# Altium PCB 装甲板（行程开关方案）.PcbDoc
Units mil, origin at the board's own origin, x right, y up, seen from the top; angles counter-clockwise.
Board outline 2155 x 2380 mil, 2 copper layers (Top Layer, Bottom Layer); 6 components, 5 nets, 18 pads, 0 vias.
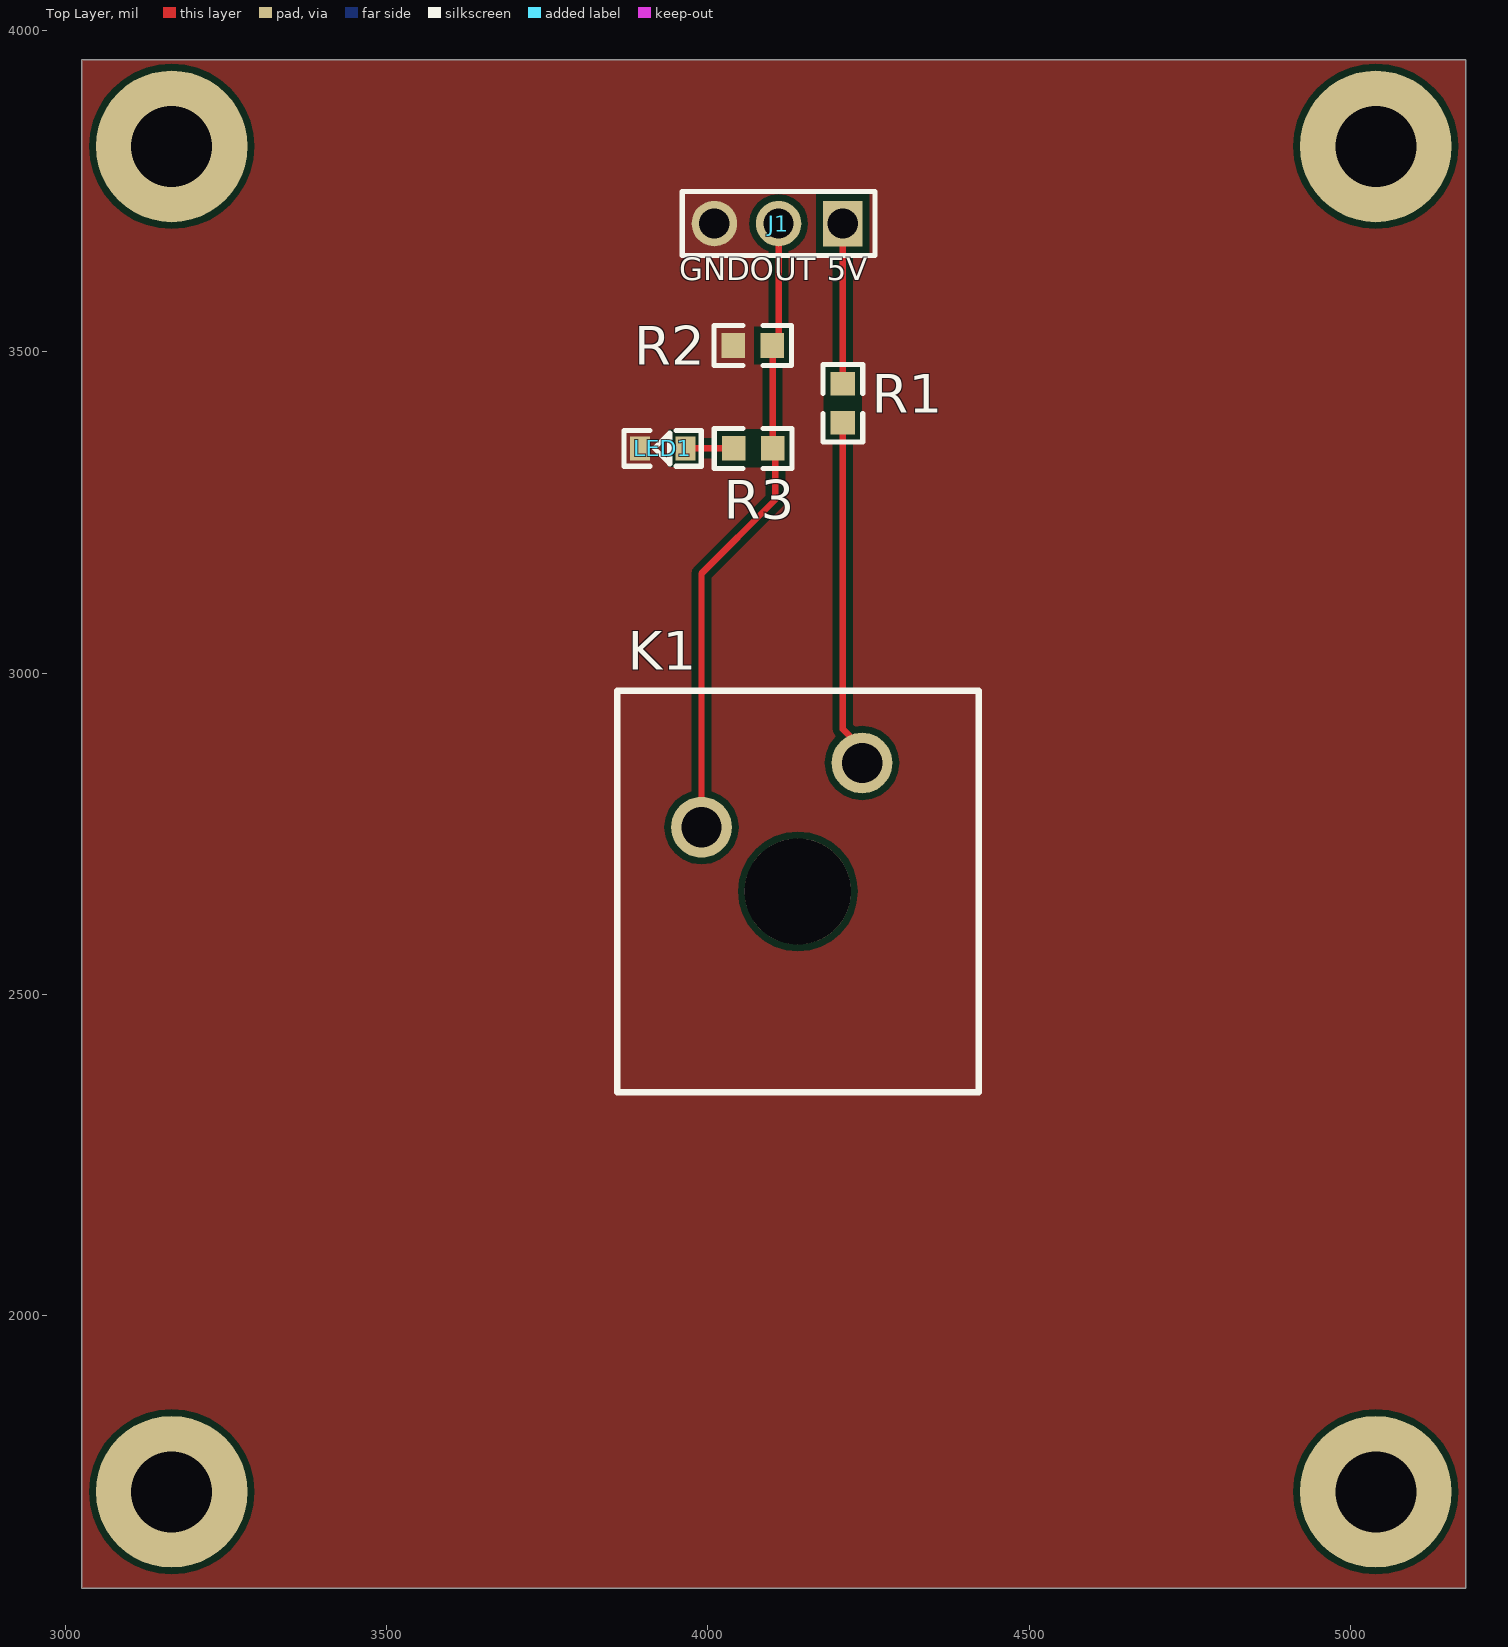
[diagram p0: Top Layer view]
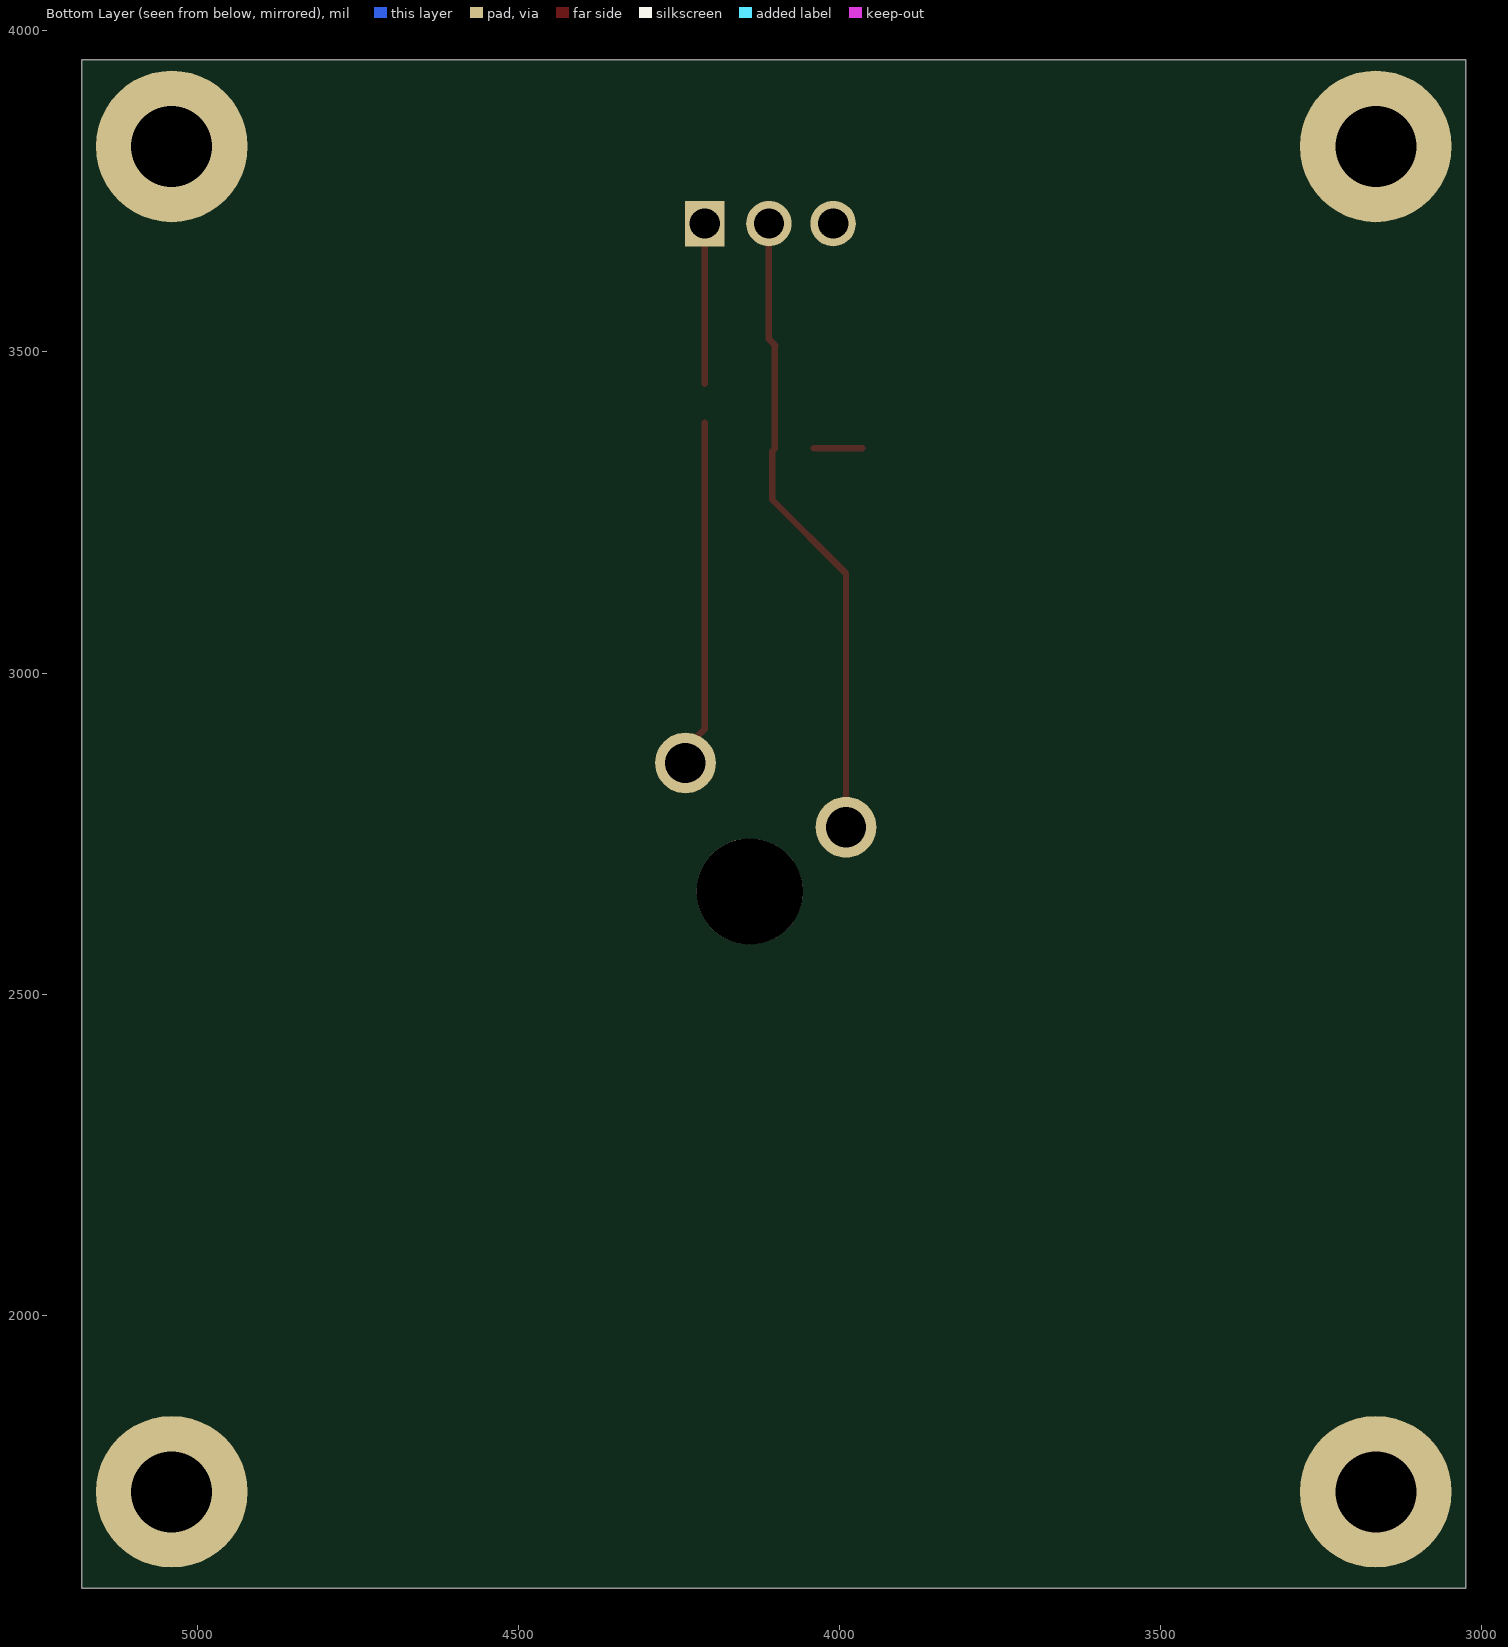
[diagram p1: Bottom Layer view, seen from below]
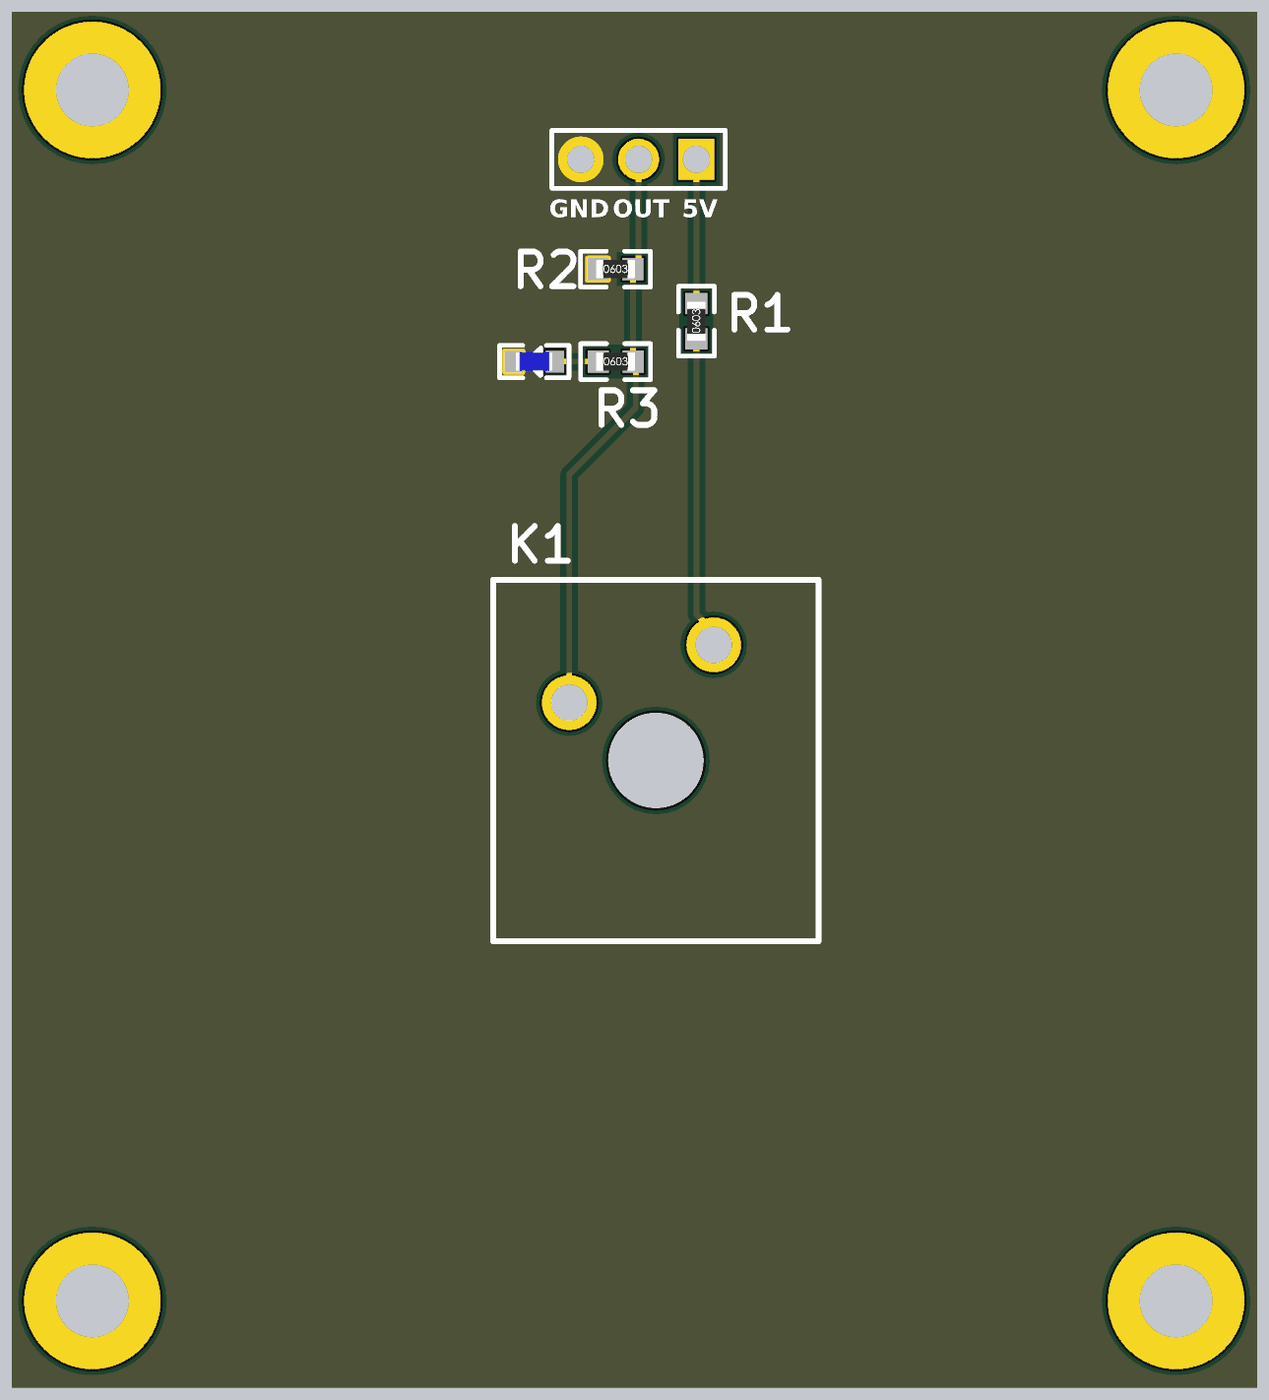
[diagram p2: 3D render of the assembled board from above, using the file's embedded part models]

## Layer stack, top to bottom
Top Solder: solder mask 0.4, Solder Resist, Dk 3.5
Top Layer: signal copper 1.4
Dielectric 1: dielectric 12.6, FR-4, Dk 4.8
Bottom Layer: signal copper 1.4
Bottom Solder: solder mask 0.4, Solder Resist, Dk 3.5

## Board outline
3025,1575 5180,1575 5180,3955 3025,3955

## Design rules (kind name [scope] priority, off if disabled: settings)
Clearance [All] p1: gap=10 ignorepadtopadclearanceinfootprint=FALSE except(0: Arc-Hole Track-Hole SMDPad-Hole THPad-Hole Via-Hole Fill-Hole Poly-Hole Region-Hole Text-Hole)
PolygonConnect [All] p1: connectstyle=Direct reliefconductorwidth=10 reliefentries=4 polygonreliefangle="90 Angle" airgapwidth=10
RoutingVias [All] p1: holewidth=28 width=50 viastyle="Through Hole" minholewidth=28 minwidth=50 maxholewidth=28 maxwidth=50
SolderMaskExpansion [All] p1: expansion=4
Width [All] p1: maxlimit=10 minlimit=10 preferedwidth=10
30 further rules are at their usual default settings.

## Components (designator, comment, footprint, x,y, rotation, side; value= is the part's Value field where it differs from the comment)
J1 "HDR1x3" "排针排母 3P 2.54mm" 4110,3700 r180 top
K1 "键盘轴" 键盘轴（单端固定） 4115,2672.2 r180 top
LED1 "LED" LED_0603 3931.57,3352 r180 top
R1 "5K" 0603_R 4210,3420 r90 top
R2 "20K" 0603_R 4070,3510 r0 top
R3 "20K" 0603_R 4070.31,3350 r0 top

## Footprints (in the part's own frame and the unit in brackets; to place one, negate y for a bottom-side part, rotate by r counter-clockwise, add the part's x,y. Pads: shape width x height; smd on the part's side, far side on the other; paste and mask are expansions set on the pad)
0603_R [mm] "SMD, 0603"
  rect 0.93x0.98 smd: 1(-0.77,0) 2(0.77,0)
  silkscreen extent -1.53,-0.79 1.54,0.79, body extent -0.85,-0.4 0.85,0.4, height 0.56
LED_0603 [mm]
  rect 0.8x0.95 smd: 1(-0.849,0.051) 2(0.951,0.051)
  silkscreen extent -1.47,-0.66 1.57,0.76, body extent -0.75,-0.34 0.85,0.46, height 0.8
"排针排母 3P 2.54mm" [mm]
  rect 1.575x1.8 hole 1.2: 1(-2.54,0)
  round 1.8 hole 1.2: 2(0,0) 3(2.54,0)
  silkscreen extent -3.81,-1.27 3.81,1.27
键盘轴（单端固定） [mm]
  round 2.4 hole 1.6: 1(3.175,-2.23) 2(-3.175,-4.77)
  round 4.2 hole 4.2 unplated: ""(-0.635,0.31)
  silkscreen extent -7.79,-7.63 6.51,8.26

## Part data
J1: "Connector"
K1: "Key"
R1 R2 R3: library part RES, "Resistor"

## Free pads (board coordinates)
  round 236.22 hole 125.98: 2(3165,1725) 2(3165,3820) 2(5040,1725) 2(5040,3820)

## Nets (pads, with @x,y where several pads share a name; then routed paths per layer and width w, separated by ;. In a path a pad name is that pad's centre, name@x,y a point inside that pad or via, vN(x,y) a via of type N, cw(c..) or ccw(c..) an arc to the next point about the centre after c; other vN are vias at no path point)
5V: J1.1 R1.2 | length 244.7
  Top Layer w10: R1.2 J1.1@4210,3695
GND: J1.3 LED1.2 R2.1
NetK1_2: K1.2 R1.1 | length 542.1
  Top Layer w10: R1.1 4210,2912.86 4240,2882.86 K1.2
NetLED1_1: LED1.1 R3.1 | length 75
  Top Layer w10: LED1.1 R3.1
OUT: J1.2 K1.1 R2.2 R3.2 | length 993.6
  Top Layer w10: K1.1 3990,3155 4105,3270 4105,3345.63 R3.2 4100.63,3509.69 R2.2 4110,3519.68 J1.2
pads on no net: K1.

## Polygon pours and split planes (outlines as drawn)
GND on Top Layer "GND_L01_P000" (solid, pour order 0): 3025,1575 5180,1575 5180,3955 3025,3955

## Silkscreen, mask and mechanical layers (free items; w line width, h text height)
Top Overlay:
  text "GND" at 3955,3600 h60
  text "OUT" at 4065,3600 h60
  text "5V" at 4185,3600 h60
Mechanical 1:
  lines w10: 3025,1575 5180,1575 5180,3955 3025,3955 3025,1575 ; 3025,1575 3025,1575